# Altium PCB MC3.PcbDoc (part 2 of 4) (continued)
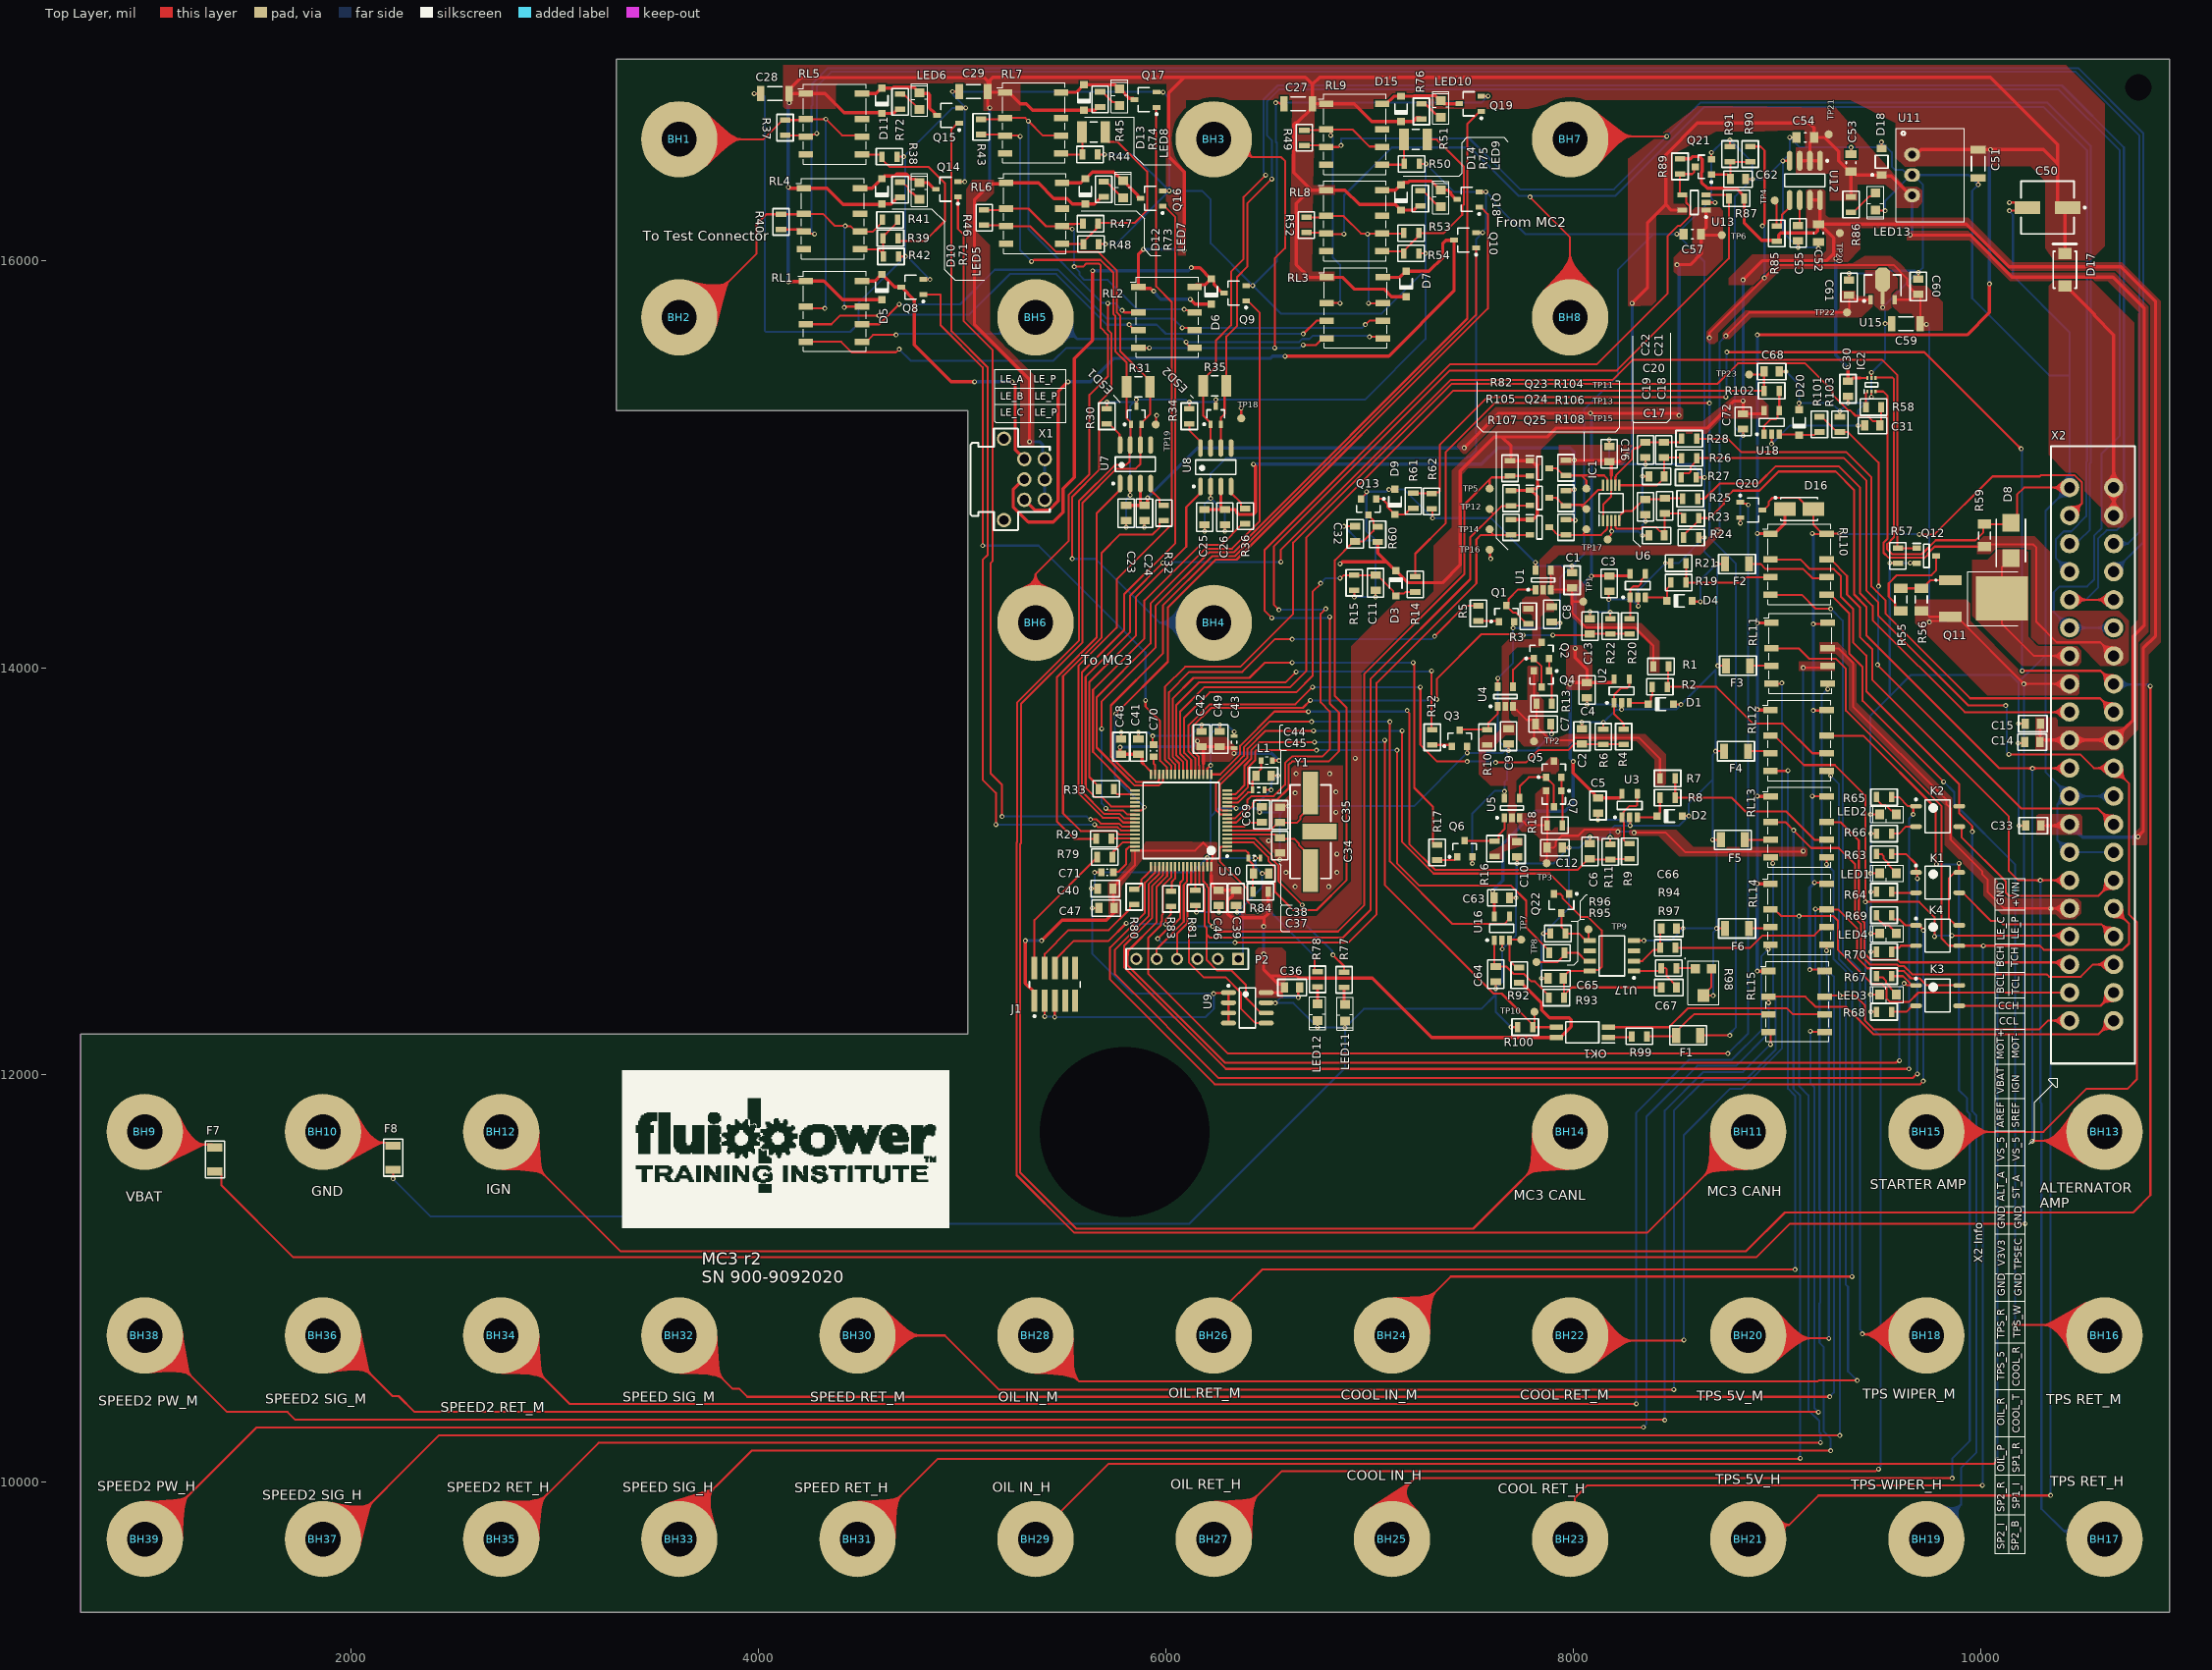
[diagram p0: Top Layer view]
## Part data (continued)
X1: "Terminal block; Header; Male Pins; (4 Side); 6 pos; 0.100\"(2.54mm) pitch; 6A; 150V", Color=Black, Current=6A, Manufacturer="Phoenix Contact", Supplier Part Number 1=651-1844730, Voltage=150V, Category="Terminal Blocks", ComponentLink1Description=https://media.digikey.com/pdf/Data%20Sheets/Phoenix%20Contact%20PDFs/1844730.pdf?src-supplier=Digi-Key, ComponentLink1URL=https://media.digikey.com/pdf/Data%20Sheets/Phoenix%20Contact%20PDFs/1844730.pdf?src-supplier=Digi-Key, Contact Plating=Gold, Manufacturer Part Number=1844730, Mount="Through Hole", Number of Levels=2, Number of Pins=6, Number of Positions=6, Number of Positions Per Level=3, Packaging="Tape and Reel", Pricing 1="1=3.31000, 10=3.17000, 50=3.03000, 100=2.95000, 250=2.75000, 500=2.54000 (USD)", RoHS=No, Stock 1=975, Supplier 1=Mouser, Termination=Solder
X2: "40 pins PCB header Phoenix Contact 1787577 Contact spacing: 3.50 mm", Color=Black, Current=8A, Manufacturer="Phoenix Contact", Package Quantity=50, Supplier Part Number 1=651-1787577, Voltage=150V, Voltage Rating=160V, Category="Terminal Blocks", ComponentLink1Description=https://datasheet.ciiva.com/817/1787577-817976.pdf?src-supplier=Digi-Key, ComponentLink1URL=https://datasheet.ciiva.com/817/1787577-817976.pdf?src-supplier=Digi-Key, ComponentLink2Description=https://datasheet.ciiva.com/29212/772230-da-01-de-grundgehaeuse-1787577-50-st-29212411.pdf?src-supplier=Conrad, ComponentLink2URL=https://datasheet.ciiva.com/29212/772230-da-01-de-grundgehaeuse-1787577-50-st-29212411.pdf?src-supplier=Conrad, Connector Type=Plug, Contact Material=Tin, Contact Plating=Tin, Current Rating=8A, Height=12mm, Housing Color=Black, Length=10.6mm, Manufacturer Part Number=1787577, Mount="Through Hole", Number of Levels=2, Number of Positions=20, Number of Positions Per Level=20, Number of Rows=2, Orientation=Vertical, Packaging=Bulk, Pitch=0.138inch, Pricing 1="1=14.81000, 10=14.41000, 25=14.04000, 50=13.46000, 100=12.39000, 250=11.45000 (USD)", RoHS=Yes, Stock 1=89, Supplier 1=Mouser, Termination=Solder, Width=77mm
Y1: library part ECS-80-20-5G3XDS-TR, "CRYSTAL 8.0000MHZ 20PF SMD", ESR (Equivalent Series Resistance)=60R, Frequency=8MHz, Frequency Stability=100ppm, Frequency Tolerance=30ppm, Load Capacitance=20pF, Manufacturer="ECS International", Max Operating Temperature=125°C, Min Operating Temperature=-40°C, Package Quantity=1, Supplier Part Number 1=520-ECS-80-20-5GXT, Category=Crystals, ComponentLink1Description=https://datasheet.ciiva.com/852/csm-7x-3l-852790.pdf?src-supplier=Digi-Key, ComponentLink1URL=https://datasheet.ciiva.com/852/csm-7x-3l-852790.pdf?src-supplier=Digi-Key, ComponentLink2Description=https://datasheet.ciiva.com/852/csm-7x-3l-852791.pdf?src-supplier=Digi-Key, ComponentLink2URL=https://datasheet.ciiva.com/852/csm-7x-3l-852791.pdf?src-supplier=Digi-Key, ComponentLink3Description=https://datasheet.ciiva.com/852/csm-7x-3l-852792.pdf?src-supplier=Digi-Key, ComponentLink3URL=https://datasheet.ciiva.com/852/csm-7x-3l-852792.pdf?src-supplier=Digi-Key, Height=0.165inch, Length=0.449inch, Manufacturer Part Number=ECS-80-20-5G3XDS-TR, Mount="Surface Mount", Packaging="Tape and Reel", Pricing 1="1=0.90000, 10=0.80500, 50=0.75300, 100=0.66500, 500=0.63000, 1000=0.52500 (USD)", RoHS=Yes, Stock 1=4314, Supplier 1=Mouser, Termination=SMD/SMT, Tolerance=30ppm, Width=0.185inch

## Free pads (board coordinates)
  round 1 hole 835 unplated paste+0 mask+4: -1(5797.75,11720.85)
  round 1 hole 130 unplated paste+0 mask+4: -1(10775,16850)

## Via types
v1: diameter 24, hole 12, Top Layer to Bottom Layer, tented both sides, 410 vias

## Nets (pads, with @x,y where several pads share a name; then routed paths per layer and width w, separated by ;. In a path a pad name is that pad's centre, name@x,y a point inside that pad or via, vN(x,y) a via of type N, cw(c..) or ccw(c..) an arc to the next point about the centre after c; other vN are vias at no path point)
+3V3: C30.1 C33.1 C36.1 C39.1 C40.1 C41.1 C42.1 C43.1 C46.1 C47.1 C48.1 C49.1 C52.2 C72.1 D3.2 IC2.6 J1.1 L1.1 OK1.4 Q23.1 Q24.1 Q25.1 R60.2 R82.2 R84.1 R85.2 R87.2 R89.2 R92.2 R105.2 R107.2 TP20.1 U9.8 U10.19 U10.32 U10.48 U10.64 U12.7 U12.8 U18.5 X2.26 | length 18093.9
  Top Layer w10: 5800,12982.87 5848.62,13031.5 U10.48@5848.62,13102.36 6143.9,13102.36 6183.27,13141.73 6228.26,13096.74 6228.26,13057.36 6223.54,13052.65 6223.54,13024.53 U10.64@6222.64,13023.62 6222.64,12980 ; 5887.27,13530 5927.36,13489.91 U10.32@5927.36,13476.38 ; U10.19@6183.27,13476.38 6183.91,13477.02 6183.91,13530 ; 9410,15422.99 IC2.6@9445.32,15422.99
  Top Layer w16: v1(5310,12660) 5310,12450.24 5355,12405.24 J1.1@5355,12364.88 ; v1(5390,12660) 5490,12760 5707.6,12760 5752.36,12804.76 5752.36,12827.65 5745,12820.28 C47.1@5745,12820 ; C47.1@5742.5,12822.5 5742.5,12912.5 C40.1@5740,12915 5740,12922.87 5800,12982.87 ; v1(5775,13610) 5775,13580 C48.1@5780,13575 C41.1@5865,13575 ; C41.1@5882.59,13565.28 5882.59,13534.68 5887.27,13530 ; v1(6155,13640) 6155,13637.84 6157.41,13635.43 6157.41,13622.32 6167.13,13612.6 C42.1@6175,13612.6 6183.91,13603.69 6183.91,13530 ; C42.1@6185,13612.6 C49.1@6265,13612.6 6271.27,13606.33 6334.14,13606.33 C43.1@6335,13605.47 v1(6335,13580) ; 6222.64,12980 6222.64,12936.89 6252.13,12907.4 C46.1@6260,12907.4 C39.1@6331.08,12907.4 ; C39.1@6345,12907.4 6337.87,12907.4 6328.15,12897.68 6328.15,12881.68 6303.41,12856.94 6303.41,12792.96 6324.37,12772 6482,12772 ; v1(6480,12595) 6480,12517.87 6511.44,12486.44 ; v1(6480,12730) 6482,12732 6482,12772 ; U9.8@6492.52,12405 6565.47,12405 6582.6,12422.13 6582.6,12437.87 6572.88,12447.59 6550.28,12447.59 6511.44,12486.44 ; R84.1@6502.4,12899.8 6502.4,12792.4 6482,12772 ; L1.1@6522.56,13544.8 v1(6555.16,13544.8) ; v1(6855,14510) 6857.16,14510 6867.16,14520 7084.65,14520 ; R60.2@7040,14617.6 7040,14564.65 7084.65,14520 ; R82.2@7690,15017.2 R82.2@7695,15017.2 ; R107.2@7695,14727.4 Q25.1@7787.76,14727.4 7801.14,14727.4 7823.44,14749.7 7823.44,14842.43 7793.66,14872.2 Q24.1@7787.76,14872.2 ; R105.2@7695,14869.8 7696.2,14871 7786.56,14871 Q24.1@7787.76,14872.2 ; R92.2@7735,12452.6 7746.81,12452.6 7845.69,12353.72 7845.69,12319.31 7885,12280 7980.63,12280 7990,12270.63 7990,12238.27 7936.73,12185 OK1.4@7917.05,12185 7305,12185 7014.7,12475.3 6655.44,12475.3 6644.3,12486.44 6511.44,12486.44 ; Q23.1@7787.76,15017.2 R82.2@7695,15017.2 ; Q23.1@7793.66,15017.2 7815.87,14995 7825,14995 7825,14902.28 7826.67,14900.61 7826.67,14887.36 7817.3,14877.98 7793.54,14877.98 Q24.1@7787.76,14872.2 ; R89.2@8525,16499.8 8576.29,16499.8 8587.34,16510.85 8621.04,16510.85 8634.35,16497.54 8634.35,16435.86 8630,16431.51 8630,16385 8660,16355 8801.61,16355 8839.8,16316.81 R87.2@8839.8,16305 8839.8,16185.2 8925,16100 8995.2,16100 R85.2@9000,16095.2 ; v1(8835,15905) 8929.24,15999.24 9244.24,15999.24 9280,16035 ; U18.5@8937.6,15263.07 8937.6,15252.24 8932.76,15247.4 C72.1@8835,15247.4 v1(8835,15310) 8790,15310 8657,15177 7915,15177 7871.75,15133.75 7651.25,15133.75 ; R85.2@9010,16100.98 9010,16125 9020,16135 9190,16135 9200,16145 9200,16173.31 C52.2@9205,16178.31 ; U12.7@9162.76,16297.05 U12.8@9212.76,16297.05 9212.76,16186.06 C52.2@9205,16178.31 ; v1(9290,16010) 9288.47,16011.53 9288.47,16026.53 9280,16035 ; v1(9350,15475) C30.1@9350,15407.4 9357.87,15407.4 9373.46,15422.99 9410,15422.99 ; C33.1@10297.4,13225 10297.89,13224.51 10431.36,13224.51 X2.26@10438.46,13231.61 ; v1(10774.41,13169.41) 10774.41,13171.57 10800,13197.16 10800,14095 10860,14155 10860,15800 10690,15970 10140,15970 9931.69,16178.31 C52.2@9212.48,16178.31 ; 7084.65,14520 7128.03,14476.61 D3.2@7129.02,14476.61 7130,14476.61 7188.99,14417.62 7357.62,14417.62 7445,14505 7445,14967.5 7611.25,15133.75 7651.25,15133.75 ; 7651.25,15133.75 7695,15090 R82.2@7695,15017.2 ; C52.2@9205,16178.31 C52.2@9212.48,16178.31 ; C52.2@9212.48,16178.31 9280,16110.79 9280,16035
  Bottom Layer w16: v1(5310,12660) v1(5390,12660) ; v1(5775,13610) 5817.6,13610 5820,13612.4 6132.4,13612.4 6155,13635 v1(6155,13640) ; v1(6335,13580) 6519.96,13580 v1(6555.16,13544.8) ; v1(6480,12595) v1(6480,12730) ; v1(8835,15310) v1(8835,15905) ; v1(9290,16010) 9290,15535 v1(9350,15475) ; X2.26@10438.46,13231.61 10501.71,13168.37 10773.37,13168.37 v1(10774.41,13169.41)
  other v1: 6930,13555
+5V: C14.1 C15.1 C16.1 C25.2 C26.2 C53.2 C54.2 D18.1 IC1.1 IC1.8 R86.2 R104.2 R106.2 R108.2 TP21.1 U8.3 U11.3 U12.1 U12.2 U12.3 U13.5 X2.19 X2.20 | length 10871.1
  Top Layer w10: IC1.1@8148.03,14723.39 8148.03,14803.03 8187.4,14842.4 IC1.8@8187.4,14896.61 8187.4,14945
  Top Layer w16: C25.2@6190,14777.4 C26.2@6282.13,14777.4 ; U8.3@6270,14890.51 6270,14789.53 C26.2@6282.13,14777.4 ; v1(6430,15000) 6440,14990 6440,14765 6427.62,14752.62 6357.78,14752.62 6348.41,14761.99 6348.41,14768.03 6339.04,14777.4 C26.2@6290,14777.4 C26.2@6282.13,14777.4 ; R108.2@7965,14727.4 7966.2,14726.2 8008.8,14726.2 v1(8010,14725) ; R106.2@7965,14869.8 7968.67,14873.47 8003.47,14873.47 v1(8005,14875) ; R104.2@7965,15019.61 7965.39,15020 v1(8005,15020) 8006.53,15018.47 8171.53,15018.47 C16.1@8177.4,15012.6 ; 8187.4,14945 8187.4,15002.88 8177.69,15012.6 8226.93,15012.6 8259.33,15045 v1(8265,15045) ; v1(8290,15790) 8365,15865 8365,16185 8455,16275 ; U13.5@8536.93,16247.6 8482.4,16247.6 8455,16275 ; U12.3@9112.76,16489.96 U12.2@9162.76,16489.96 ; U12.1@9212.76,16489.96 U12.2@9162.76,16489.96 ; R86.2@9365,16312.4 C53.2@9365,16429.21 ; C53.2@9365,16436.69 9357.52,16436.69 9304.25,16489.96 9304.25,16535.75 9235,16605 C54.2@9183.31,16605 ; C53.2@9372.48,16436.69 9388.54,16420.63 D18.1@9515,16420.63 9519.55,16416.08 9563.02,16416.08 9659.09,16320 U11.3@9665,16320 ; v1(9655,16125) 9950,16125 10155.77,15919.23 10650.77,15919.23 10805,15765 10805,14210 10750,14155 10750,13745 10655,13650 X2.19@10655,13645 X2.20@10438.46,13645 10302.12,13645 C14.1@10293.7,13636.58 ; C15.1@10295,13725 10293.7,13723.7 C14.1@10293.7,13636.58 ; 8455,16275 8455,16520 8610,16675 9160,16675 9183.31,16651.69 C54.2@9183.31,16605 ; U12.2@9162.76,16489.96 9162.76,16576.97 9183.31,16597.52 C54.2@9183.31,16605 ; C14.1@10293.7,13636.58 10292.4,13635.28 C14.1@10292.4,13635 10293.7,13636.3 C14.1@10293.7,13636.58
  Bottom Layer w16: v1(6430,15000) 7550,15000 7630,15080 7985,15080 8005,15060 v1(8005,15020) v1(8005,14875) 8005,14730 v1(8010,14725) ; v1(8265,15045) 8265,15050 8290,15075 v1(8290,15790) ; 9665,16137.16 U11.3@9665,16320
+5V_COOLREF_11: C1.1 R1.2 TP1.1 U1.3 U1.4 | length 955.9
  Top Layer w10: U1.4@7890,14479.72 U1.3@7890,14383.27 7985.67,14383.27 C1.1@7995,14392.6 7995,14335 ; TP1.1@8050,14325 8005,14325 7995,14335 ; R1.2@8393.82,14006.7 8393.82,14108.04 8304.64,14197.22 8064.99,14197.22 8044.01,14218.21 8044.01,14220.99 7995,14270 7995,14335
+5V_NCV_18: C65.2 C67.2 Q22.2 R93.2 U17.8 | length 1299.6
  Top Layer w10: Q22.2@7905.2,12890 7935.94,12890 7947.41,12878.54 7947.41,12868.78 8039.29,12776.89 8073.11,12776.89 8140,12710 8140,12530 8125,12515 8086.34,12515 U17.8@8081.34,12510 7979.53,12510 7952.4,12482.87 C65.2@7952.4,12475 7955,12472.4 R93.2@7955,12391.81 ; R93.2@7955,12380 R93.2@7955,12391.81 ; C67.2@8432.6,12430 7993.19,12430 R93.2@7955,12391.81
+5V_OILPRESS_11: C7.1 Q4.2 R7.2 R13.1 TP2.1 U4.3 | length 1304.8
  Top Layer w10: U4.3@7705.08,13810.44 7705.08,13801.58 7713.86,13792.81 7722.72,13792.81 7771.26,13744.26 7802.56,13744.26 7815.28,13731.55 C7.1@7815.28,13723.67 ; Q4.2@7807.6,13984.37 7807.6,13848.16 7820.28,13835.48 R13.1@7820.28,13823.67 7820.28,13728.67 C7.1@7815.28,13723.67 ; TP2.1@7807.68,13638.67 7807.68,13716.07 C7.1@7815.28,13723.67 ; R7.2@8426.65,13457.06 8426.65,13553.35 8323.09,13656.91 8012.25,13656.91 8000.35,13645 7886.07,13645 7815.28,13715.8 C7.1@7815.28,13723.67
+5VSW: C3.1 C4.1 C5.1 C23.2 C24.2 C57.2 C63.1 TP6.1 U2.5 U3.5 U6.5 U7.3 U13.1 U16.5 | length 7818.3
  Top Layer w16: C23.2@5805,14796.97 5887.13,14796.97 5875,14809.09 U7.3@5875,14905.08 ; C24.2@5895,14796.97 5900.28,14796.97 5910,14806.69 v1(5910,14835) ; v1(7465.2,15080) 7635.2,15250 8507.84,15250 8517.84,15240 v1(8520,15240) ; v1(7605,12905) 7605,12877.6 C63.1@7612.6,12870 U16.5@7612.6,12778.07 ; v1(7985,13920) 7993.04,13928.04 C4.1@8068.23,13928.04 ; v1(8000,13540) 8000,13483.59 8105.01,13378.58 8105.01,13370.71 8114.72,13360.99 C5.1@8122.6,13360.99 8230.35,13360.99 8240.2,13370.84 U3.5@8240.2,13381.66 ; v1(8010,14095) 8010,14050 8068.23,13991.77 C4.1@8068.23,13928.04 ; v1(8090,14450) 8091.31,14451.31 C3.1@8177.6,14451.31 8275.4,14451.31 8280.2,14456.1 U6.5@8280.2,14461.98 ; U2.5@8200.83,13944.26 8200.83,13933.43 8196.03,13928.64 8192.05,13928.64 8191.45,13928.04 C4.1@8068.23,13928.04 ; v1(8510,15980) 8575,15980 8628.62,16033.62 C57.2@8628.62,16130 ; U13.1@8653.07,16247.6 8653.07,16161.93 8628.62,16137.48 C57.2@8628.62,16130 ; TP6.1@8730.32,16125 8633.62,16125 C57.2@8628.62,16130
  Bottom Layer w16: v1(5910,14835) 6155,15080 v1(7465.2,15080) ; v1(7605,12905) 7655,12955 7655,13135 7815,13295 7960,13295 8000,13335 v1(8000,13540) 7985,13555 v1(7985,13920) ; v1(8010,14095) 8010,14370 v1(8090,14450) v1@8090,15250 ; v1(8510,15980) 8520,15970 v1(8520,15240)
  other v1: 8085,15250
+8VREF: C8.1 C9.1 C10.1 C61.1 Q2.3 Q5.3 R3.1 R10.1 R16.1 TP22.1 U1.2 U4.2 U5.2 U15.1 | length 1823.5
  Top Layer w10: v1(8750,15630) 8865,15745 TP22.1@9345,15745 9345,15752.95 9355,15762.95 C61.1@9355,15830 9362.87,15830 9385.12,15807.76 U15.1@9460.94,15807.76
  Bottom Layer w10: v1(8710,14670) 8710,14672.86 8720,14682.86 8720,15600 v1(8750,15630)
+V24V: C27.2 C28.2 C29.2 C50.1 C51.2 D5.2 D6.2 D7.2 D10.2 D11.2 D12.2 D13.2 D14.2 D15.2 D16.1 D17.2 R71.1 R72.1 R73.1 R74.1 R75.1 R76.1 RL1.1 RL2.1 RL3.1 RL4.1 RL5.1 RL6.1 RL7.1 RL8.1 RL9.1 RL10.1 RL11.1 RL12.1 RL13.1 RL14.1 RL15.1 U11.1 X1.1 X1.3 X1.5 | length 24067.4
  Top Layer w16: v1(4145,15895) 4146.53,15896.53 4228.74,15896.53 RL1.1@4232.2,15900 4320,15900 4412.01,15807.99 D5.2@4605,15807.99 ; v1(4145,16360) 4150,16355 RL4.1@4222.2,16355 4335,16355 4415,16275 4602.01,16275 D10.2@4605,16277.99 4651.18,16277.99 4683.19,16310 R71.1@4695,16310 ; v1(4150,16775) 4149.94,16775.06 4149.94,16819.94 C28.2@4149.88,16820 ; R72.1@4695,16742.6 4683.19,16742.6 4663.58,16722.99 D11.2@4605,16722.99 4602.23,16725.76 4419.24,16725.76 4325,16820 RL5.1@4232.2,16820 C28.2@4149.88,16820 ; v1(5135,16750) 5124.88,16760.12 C29.2@5124.88,16830 ; v1(5330,15110) 5330,15415 5060,15685 5060,16300 v1(5135,16375) 5136.53,16376.53 5210.55,16376.53 RL6.1@5215,16380.98 5374.02,16380.98 5450,16305 5514.4,16305 5541.41,16277.99 D12.2@5605,16277.99 5648.58,16277.99 5683.19,16312.6 R73.1@5695,16312.6 ; R74.1@5677.28,16753.58 5665.47,16753.58 5650.87,16738.98 D13.2@5597.28,16738.98 5346.02,16738.98 5315,16770 5285.67,16770 5229.69,16825.98 RL7.1@5210,16825.98 5128.9,16825.98 C29.2@5124.88,16830 ; v1(5890,16055) 5865,16030 RL2.1@5865,15870.98 5872.58,15863.4 5924.43,15863.4 5937.84,15850 v1(5940,15850) ; v1(6090,16050) 6090,16435 6015,16510 6015,16825 6090,16900 ; v1(6120,15810) 6144.02,15785.98 D6.2@6222.8,15785.98 ; D14.2@7155,16247.99 D14.2@7154.02,16247.99 ; D7.2@7180,15822.99 7108.02,15822.99 7071.01,15860 6925,15860 6867.4,15917.6 RL3.1@6790,15917.6 6702.4,15917.6 6640,15980 6640,16280 6705,16345 6715,16345 ; R75.1@7250,16267.6 7238.19,16267.6 7218.58,16247.99 D14.2@7154.02,16247.99 ; R76.1@7255,16695 7246.2,16703.8 7234.39,16703.8 7213.58,16682.99 D15.2@7155,16682.99 7012.01,16682.99 6925,16770 RL9.1@6787.2,16770 C27.2@6720,16770 ; v1(8905,12510) 8905.49,12510.49 8959.51,12510.49 RL15.1@8960,12510.98 ; v1(8905,12940) 8905.72,12939.28 RL14.1@8969.41,12939.28 ; v1(8905,13370) 8907.4,13367.6 RL13.1@8970,13367.6 ; v1(8905,13795) 8907.4,13792.6 RL12.1@8969.41,13792.6 ; v1(8905,14220) 8905.49,14220.49 8973.92,14220.49 RL11.1@8974.41,14220.98 ; v1(8905,14660) 8906.2,14658.8 8968.21,14658.8 RL10.1@8969.41,14657.6 8989.09,14657.6 9040.12,14708.62 D16.1@9040.12,14780 ; v1(8905,15635) 9935,15635 10045,15745 v1(10045,15885) ; U11.1@9665,16520 9684.69,16520 9709.57,16544.88 C51.2@9990,16544.88 v1@10050,16544.88 ; v1(10050,16545) v1@10050,16544.88 ; D17.2@10415,16034.33 C50.1@10415,16246.57 ; C50.1@10428.43,16260 C50.1@10415,16246.57 ; C28.2@4149.88,16820 4149.88,16838.7 4210,16898.82 5106.18,16898.82 5125,16880 C29.2@5125,16830.12 ; C29.2@5124.88,16830 C29.2@5125,16830.12 ; C29.2@5125,16830.12 5135.58,16840.7 5135.58,16885.58 5150,16900 6090,16900 ; 6090,16900 6685,16900 6720,16865 ; 6715,16345 6710,16350 6627.78,16432.22 6627.78,16668.4 6634.37,16675 6643.7,16675 6720,16751.3 C27.2@6720,16770 ; 6715,16345 RL8.1@6787.2,16345 6880,16345 6950,16275 7127.99,16275 7144.3,16258.69 7144.3,16257.71 D14.2@7154.02,16247.99 ; C27.2@6720,16770 6720,16865 ; 6720,16865 6755,16900 10050,16900 10380,16570 10380,16475 ; v1@10050,16544.88 10310.12,16544.88 10380,16475 ; 10380,16475 10380,16281.57 C50.1@10415,16246.57
  Bottom Layer w16: v1(4145,15895) v1(4145,16360) 4145,16770 v1(4150,16775) ; v1(5135,16375) v1(5135,16750) ; v1(5330,15110) 5380,15110 5395,15095 5395,15035 X1.1@5405,15025 X1.3@5405,14925 X1.5@5405,14825 ; v1(5890,16055) 6085,16055 v1(6090,16050) ; v1(5940,15850) 5940,15847.84 5955,15832.84 5955,15830 5975,15810 v1(6120,15810) ; v1(8905,12510) 8904,12511 8904,12939 v1(8905,12940) v1(8905,13370) v1(8905,13795) v1(8905,14220) v1(8905,14660) v1(8905,15635) ; v1(10045,15885) 10045,16540 v1(10050,16545)
+V24V_IN: D17.1 X2.1 X2.3 | length 1230.5
  Top Layer w16: D17.1@10415,15875.67 10419.72,15875.67 10560,15735.39 10560,15730 10655,15635 X2.1@10655,14885.16 X2.3@10655,14747.36
\S\P\E\E\D\_\D\I\A\G\: Q22.1 U10.11 | length 2659.6
  Top Layer w10: U10.11@6301.38,13299.21 6300.6,13299.99 6272.37,13299.99 6264.76,13307.61 6264.76,13423.49 6355,13513.73 6401,13559.73 6401,13602.05 6488.95,13690 v1(6725,13690) ; v1(7160,13690) 7160,13144.53 7315.22,12989.31 7884.62,12989.31 7980,12893.94 Q22.1@7980,12890
  Bottom Layer w10: v1(6725,13690) v1(7160,13690)
\S\P\E\E\D\_\E\N\: U10.10 U16.4 | length 2619.9
  Top Layer w10: U10.10@6301.38,13279.53 6300.6,13280.31 6266.6,13280.31 6246.76,13300.15 6246.76,13430.94 6345.81,13530 6383,13567.19 6383,13609.51 6508.49,13735 v1(6715,13735) ; v1(7100,13735) 7100,13049.54 7408.1,12741.45 7661.61,12741.45 7687.4,12767.24 U16.4@7687.4,12778.07
  Bottom Layer w10: v1(6715,13735) v1(7100,13735)
AD_MOTOR: C31.1 R58.1 U10.27 | length 5043.6
  Top Layer w10: U10.27@6025.79,13476.38 6025.79,13519.21 5995,13550 5995,13905 6095,14005 6365,14005 6625,14265 6625,14615 7405,15395 8710,15395 8810,15495 9140,15495 9275,15360 9275,15339.64 9349.64,15265 9360,15265 9387.2,15237.8 9446.5,15237.8 9473.7,15210.59 9496.81,15210.59 9512.4,15195 R58.1@9512.4,15280
ADSRDY5V: IC1.2 Q25.3 R108.1 TP15.1 | length 387.9
  Top Layer w10: Q25.3@7882.24,14690 7888.15,14690 7911.07,14667.08 7911.07,14665.94 7924.41,14652.6 R108.1@7965,14652.6 8051.3,14652.6 ; TP15.1@8065,14680 8065,14672.05 8051.3,14658.35 8051.3,14652.6 ; IC1.2@8167.72,14723.39 8167.72,14682.72 8137.6,14652.6 8051.3,14652.6
ADSRDY_17: Q25.2 R107.1 TP14.1 U10.57 | length 3901.2
  Top Layer w10: v1(5960,12670) 6002.5,12712.5 6012.5,12712.5 6070,12770 6070,12945 6084.84,12959.84 U10.57@6084.84,13023.62 ; v1(6340,12650) 6895,12650 7035,12790 7035,13925 7525,14415 7525,14630 7547.6,14652.6 7605,14652.6 ; TP14.1@7590,14680 7590,14672.05 7605,14657.05 7605,14652.6 ; Q25.2@7787.76,14652.6 R107.1@7695,14652.6 7605,14652.6
  Bottom Layer w10: v1(5960,12670) 5980,12650 v1(6340,12650)
ALTERNATOR_AMP_1: BH13.1 R23.1 R24.2 X2.22 | length 5248.5
  Top Layer w10: R24.2@8542.6,14640 8542.6,14651.81 8580.79,14690 8584.21,14690 8617.4,14723.19 R23.1@8617.4,14735 8670,14735 8740,14805 8740,14825 8785,14870 8915,14870 9009,14964 9289.23,14964 9380,14873.23 9380,14360 9440,14300 9440,14160 10093.75,13506.25 v1(10256.25,13506.25) 10437.51,13506.25 X2.22@10438.46,13507.2 ; v1(10255,11675) 10257.68,11677.68 10567.08,11677.68 BH13.1@10610.25,11720.85
  Bottom Layer w10: v1(10255,11675) 10255,13505 v1(10256.25,13506.25)
ALTERNATOR_VREF_1: R25.1 X2.18 | length 2738.7
  Top Layer w10: R25.1@8612.4,14830 8645,14830 8720,14905 8910,14905 8995,14990 9305,14990 9410,14885 9410,14365 9471.09,14303.91 9471.09,14233.91 9923,13782 10437.67,13782 X2.18@10438.46,13782.8
B_CANH_A_3: BH1.1 R37.2 RL1.2 RL5.2 RL5.6 | length 2003.5
  Top Layer w10: BH1.1@3610.25,16595.85 4024.04,16595.85 4118.19,16690 R37.2@4130,16690 4228.19,16690 RL5.2@4232.2,16694.02 4329.02,16694.02 v1(4330,16695) 4410,16615 4500.2,16615 RL5.6@4507.8,16607.4 ; RL1.2@4232.2,15774.02 4241.22,15765 v1(4325,15765)
  Bottom Layer w10: v1(4325,15765) 4330,15770 v1(4330,16695)
B_CANH_B_3: BH4.1 R43.2 RL2.2 RL7.2 RL7.6 | length 3839.3
  Top Layer w10: R43.2@5092.8,16693.39 5203.39,16693.39 RL7.2@5210,16700 5310,16700 v1(5325,16685) 5396.61,16613.39 RL7.6@5485.59,16613.39 ; v1(5540,14535) 5540,14840 5671.41,14971.41 5671.41,15301.76 5733,15363.36 5733,15642 5715,15660 v1(5715,15790) ; v1(5785,15755) 5795,15745 RL2.2@5865,15745
  Bottom Layer w10: v1(5325,16685) 5325,16154.54 5688,15791.54 5713.46,15791.54 v1(5715,15790) 5750,15790 v1(5785,15755) ; v1(5540,14535) 5655,14535 5969.15,14220.85 BH4.1@6235.25,14220.85
B_CANH_TEST_3: BH3.1 RL1.4 RL2.4 RL3.4 | length 4052.7
  Top Layer w10: RL1.4@4232.2,15600.79 4405.93,15600.79 4456.71,15550 4675,15550 v1(4690,15565) ; RL2.4@5850.66,15573.89 RL2.4@5862.88,15573.89 ; RL2.4@5865,15571.77 5865.48,15571.29 v1(5918.71,15571.29) ; BH3.1@6235.25,16595.85 6334.02,16595.85 6422.29,16507.58 6566.57,16507.58 6585,16489.14 6585,16060.04 6535,16010.04 v1(6535,15571.29) ; v1(6675,15585) 6736.93,15585 6770.31,15618.39 RL3.4@6790,15618.39
  Bottom Layer w10: v1(4690,15565) 4746.65,15508.35 5448.27,15508.35 5511.21,15571.29 v1(5918.71,15571.29) v1(6535,15571.29) 6657.5,15571.29 6671.21,15585 v1(6675,15585)
B_CANL_A_3: BH2.1 R40.2 R41.1 RL1.7 RL4.2 RL4.6 | length 1851
  Top Layer w10: BH2.1@3610.25,15720.85 3675.85,15720.85 3990,16035 3990,16180 4037.4,16227.4 R40.2@4110,16227.4 4220.59,16227.4 RL4.2@4222.2,16229.02 4315.98,16229.02 4375,16170 v1(4425,16170) 4426.49,16168.51 4452,16168.51 4478.11,16142.4 RL4.6@4497.8,16142.4 4561.81,16142.4 4607.6,16188.19 R41.1@4607.6,16200 ; v1(4420,15770) 4424.02,15774.02 RL1.7@4507.8,15774.02
  Bottom Layer w10: v1(4420,15770) 4420,16165 v1(4425,16170)
B_CANL_B_3: BH6.1 R46.2 R47.1 RL2.7 RL6.2 RL6.6 | length 3522.2
  Top Layer w10: R46.2@5107.8,16248.39 5208.39,16248.39 RL6.2@5215,16255 5325,16255 5411.61,16168.39 RL6.6@5490.59,16168.39 ; BH6.1@5360.25,14220.85 5360.25,14460.25 5522,14622 5522,14847.46 5625,14950.46 5625,15340.46 5715,15430.46 5715,15634.54 5680,15669.54 5680,15976.21 5671.21,15985 5609.14,15985 5594.14,15970 v1(5550,15970) ; v1(5540,16155) 5537.36,16157.64 5501.34,16157.64 RL6.6@5490.59,16168.39 ; R47.1@5592.8,16180.98 5553.44,16180.98 5551.59,16179.13 5501.34,16179.13 RL6.6@5490.59,16168.39 ; v1(6090,15760) 6094.25,15755.75 6129.84,15755.75 RL2.7@6140.59,15745
  Bottom Layer w10: v1(5540,16155) 5550,16145 v1(5550,15970) 5576.34,15943.66 5576.34,15928.66 5600,15905 5715,15905 5860,15760 v1(6090,15760)
B_CANL_TEST_3: BH5.1 RL1.5 RL2.5 RL3.5 | length 2645.9
  Top Layer w10: RL1.5@4507.8,15600.79 4527.48,15600.79 4561.69,15635 v1(4675,15635) ; v1(6099.16,15600) 6101.84,15597.32 6101.84,15590.84 6120.91,15571.77 RL2.5@6140.59,15571.77 ; v1(7000,15625) 7058.98,15625 RL3.5@7065.59,15618.39
  Bottom Layer w10: v1(4675,15635) 4677.68,15637.68 4685.54,15637.68 4687.86,15640 5180.63,15640 5261.48,15720.85 BH5.1@5360.25,15720.85 ; BH5.1@5449.77,15712 5458.62,15720.85 5564.47,15615 6080,15615 6095,15600 v1(6099.16,15600) 6654.64,15600 6669.64,15615 6705,15615 6720,15630 6995,15630 v1(7000,15625)
BOOT0_17: R81.2 U10.60 | length 116.7
  Top Layer w10: U10.60@6143.9,13023.62 6143.9,12980 6143.9,12908.5 R81.2@6145,12907.4
CAN1_RX: R32.1 U10.44 | length 2139.9
  Top Layer w10: U10.44@5848.62,13181.1 5769.05,13181.1 5751.16,13199 5581,13199 5495,13285 5495,13959.09 5685,14149.09 5685,14565 5775,14655 5935,14655 5969.41,14689.41 5969.41,14713.82 5978.19,14722.6 R32.1@5990,14722.6
CAN1_TX: R29.1 U10.45 | length 116.8
  Top Layer w10: R29.1@5732.4,13160 5733.82,13161.42 5800,13161.42 U10.45@5848.62,13161.42
CAN2_RX: R36.1 U10.33 | length 1784.5
  Top Layer w10: U10.33@5848.62,13397.64 5847.72,13398.54 5830,13398.54 5800,13428.54 5642,13586.54 5642,13892 5895,14145 5895,14330 6168,14603 6273.59,14603 6378.19,14707.6 R36.1@6390,14707.6
CAN2_TX: R33.1 U10.34 | length 121.7
  Top Layer w10: R33.1@5745,13405 5745,13393.19 5760.24,13377.95 U10.34@5848.62,13377.95
CONA: Q8.1 U10.28 | length 3062.4
  Top Layer w10: Q8.1@4809.13,15832.6 4893.27,15832.6 4893.27,15681.73 5100,15475 v1(5100,14600) ; v1(5900,13840) 5900,13810 5971.7,13738.3 5971.7,13543.3 6005.32,13509.68 6005.32,13477.16 U10.28@6006.1,13476.38
  Bottom Layer w10: v1(5100,14600) 5375,14600 5900,14075 v1(5900,13840)
CONB: Q9.1 U10.29 | length 3080.5
  Top Layer w10: U10.29@5986.42,13476.38 5985.64,13475.6 5985.64,13441.6 5965.79,13421.76 5846.1,13421.76 5800,13467.85 5660,13607.85 5660,13855 5925,14120 5925,14315 6195,14585 6325.16,14585 6461,14720.84 6461,15742.62 6401.02,15802.6 Q9.1@6394.13,15802.6
CONC: Q10.1 U10.30 | length 3626.8
  Top Layer w10: U10.30@5966.73,13476.38 5965.95,13475.6 5965.95,13447.37 5958.34,13439.76 5853.55,13439.76 5800,13493.31 5730,13563.31 5730,13815 5985,14070 5985,14305 6229,14549 6340.07,14549 7523.27,15732.2 Q10.1@7523.27,16062.6
COOL_AD: C2.1 R4.2 R6.2 U10.21 | length 2826.3
  Top Layer w10: U10.21@6143.9,13476.38 6143.9,13530 6143.9,13556.55 6112,13588.45 6112,13717.81 6215.19,13821 6636,13821 v1(6720,13905) ; v1(7250,13905) 7250,13621.86 7331.86,13540 v1(7480,13540) ; v1(7620,13535) 7769.39,13535 7829.39,13595 7975,13595 8006.19,13626.19 C2.1@8043.23,13626.19 8045.63,13623.79 R6.2@8148.23,13623.79 R4.2@8248.23,13623.79
  Bottom Layer w10: v1(6720,13905) v1(7250,13905) ; v1(7480,13540) 7615,13540 v1(7620,13535)